# Allegro board DPU_PoE_A1_Oct-13.brd (continued)
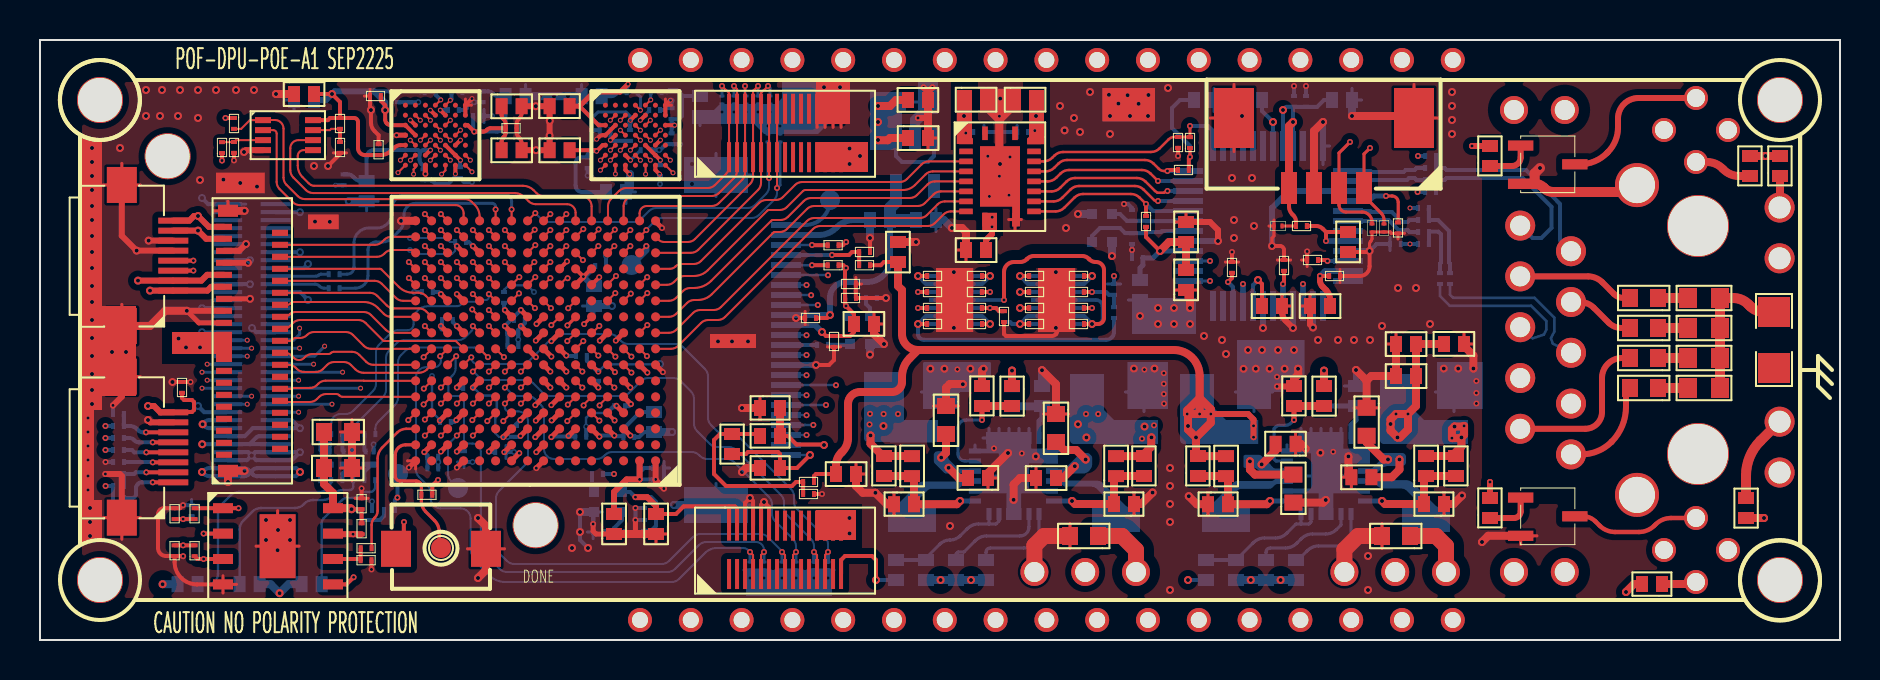
[diagram p0: board, top side]
## Routing (per net, layer and track width the routed paths; a pad name or vN(x,y) marks a point on that pad's centre or on a via; arc(x,y) is an arc through that point) (continued)
MD3: length 12.7
  TOP w0.102: v1(21.61,10.99) U5.D12
  TOP w0.3: R43.1 v1(15.65,5.29) 14.68,5.29 U6.7
  SIG-6 w0.102: v1(15.65,5.29) 15.03,5.91 arc(14.92,6.08) 14.88,6.27 14.88,6.88 arc(14.92,7.07) 15.03,7.24 17.43,9.64 arc(17.6,9.75) 17.79,9.79 19.48,9.79 arc(19.59,9.83) 19.63,9.94 19.63,10.39 arc(19.69,10.54) 19.84,10.6 21.22,10.6 v1(21.61,10.99)
Net_1: length 0.5
  TOP w0.102: v1(22.44,13.42) 22.78,13.76
Net_3: length 0.6
  TOP w0.102: v1(23.2,14.14) 22.78,14.56
Net_4: length 0.5
  TOP w0.102: v1(26.41,16.59) 26.78,16.96
Net_5: length 0.5
  TOP w0.102: v1(27.12,13.42) 26.78,13.76
Net_8: length 0.5
  TOP w0.102: v1(28.77,17.34) 28.38,16.96
Net_9: length 0.6
  TOP w0.157: 26.78,16.16 26.78,16.14 v1(26.37,15.73)
Net_10: length 0.6
  TOP w0.102: v1(26.36,14.94) 26.78,15.36
Net_61: length 0.5
  TOP w0.102: v1(30.36,17.34) 29.98,16.96
PROGRAM_N: length 33.3
  TOP w0.102: U5.C12 v1(21.64,10.22)
  TOP w0.2: J4.2 v1(5.32,8.38) ; SW1.2 17.8,5.01 18.19,5.41 18.19,5.89 v1(18.2,5.9)
  SIG-6 w0.102: v1(18.2,5.9) 18.79,5.9 arc(18.98,5.94) 19.15,6.05 21.49,8.39 arc(21.6,8.56) 21.64,8.75 v1(21.64,10.22) 21.64,10.24 21.85,10.45 arc(21.96,10.62) 22,10.81 22,11.01 arc(21.89,11.29) 21.61,11.4 20.79,11.4 arc(20.51,11.51) 20.4,11.79 20.4,11.81 arc(20.29,12.09) 20.01,12.2 19.99,12.2 arc(19.71,12.31) 19.6,12.59 19.6,12.66 arc(19.5,12.9) 19.26,13 17.47,13 arc(17.41,12.99) 17.35,12.95 16.65,12.25 arc(16.48,12.14) 16.29,12.1 15.83,12.1 arc(15.71,12.12) 15.61,12.19 15.59,12.21 arc(15.49,12.28) 15.37,12.3 14.31,12.3 arc(14.12,12.26) 13.95,12.15 13.75,11.95 arc(13.58,11.84) 13.39,11.8 12.41,11.8 arc(12.05,11.65) 11.9,11.29 11.9,9.91 arc(11.86,9.72) 11.75,9.55 10.95,8.75 arc(10.78,8.64) 10.59,8.6 9.53,8.6 arc(9.33,8.56) 9.17,8.45 8.76,8.05 arc(8.6,7.94) 8.4,7.9 7.01,7.9 arc(6.82,7.94) 6.65,8.05 6.47,8.23 arc(6.3,8.34) 6.11,8.38 v1(5.32,8.38)
  BOTTOM w0.2: R78.1 4.19,7.71 C134.2 4.7,8.3 4.78,8.38 v1(5.32,8.38)
PWR_EN_EXT: length 22.8
  TOP w0.2: v3(41.8,3) 41.8,4 41.6,4.2 40.25,4.2 40.05,4 J5.29
  SIG-6 w0.2: v3(41.8,3) 42.99,3 arc(43.37,3.08) 43.69,3.29 44.41,4.01 arc(44.73,4.22) 45.11,4.3 45.7,4.3 arc(46.07,4.37) 46.39,4.59 46.41,4.61 arc(46.73,4.83) 47.1,4.9 55.83,4.9 arc(56.59,4.59) 56.9,3.83 arc(56.96,3.53) 57.14,3.26 v3(57.4,3)
  BOTTOM w0.2: R90.2 v3(41.8,3) ; R86.2 v3(57.4,3)
RN: length 8.6
  BOTTOM w0.13: U11.6 75.64,14.82 75.55,15.09 75.72,15.43 75.72,16.11 74.72,17.11 70.66,17.11 70.5,17.27 C141.1
RP: length 8.6
  BOTTOM w0.13: U11.5 74.11,15.35 74.63,15.08 75.19,15.27 75.32,15.52 75.32,15.95 74.56,16.71 70.49,16.71 70,17.2 C140.1
SPARE7: length 15.5
  TOP w0.3: C45.2 79.1,14.1 arc(78.39,13.81) 78.1,13.1 78.1,11.4 arc(77.85,10.81) 77.26,10.56 U11.9
  SIG-3 w0.6: J9.1 74.01,3.71 U11.9
SPARE8: length 11.2
  TOP w0.3: U11.10 77.07,9.28 arc(77.88,9.44) 78.57,9.91 arc(79.11,10.71) 79.3,11.66 79.3,12.3 arc(79.32,12.39) 79.37,12.47 C47.2
  SIG-3 w0.6: U11.10 76.55,3.71 J9.2
SPI_CS: length 16.4
  TOP w0.102: 21.98,20.92 U5.T12 21.98,21.18 arc(21.92,21.49) 21.74,21.75 21.6,21.9 arc(21.43,22.01) 21.24,22.05 13.25,22.05 arc(13.05,22.08) 12.89,22.19 12.32,22.76 arc(12.21,22.92) 12.18,23.12 12.18,25.57 arc(12.05,25.87) 11.75,26 11.16,26 U1.1 10.49,25.99 10.06,25.56 R1.2
SPI_SCK: length 18.1
  TOP w0.102: 26.78,20.92 U5.T6 26.78,21.37 arc(26.66,21.67) 26.36,21.79 24.79,21.79 arc(24.6,21.83) 24.43,21.94 24.23,22.14 arc(24,22.29) 23.73,22.35 13.65,22.35 arc(13.46,22.39) 13.29,22.5 12.66,23.13 arc(12.55,23.29) 12.52,23.49 12.52,24.59 arc(12.63,24.87) 12.92,24.99 U1.6
SPI_SI: length 17.9
  TOP w0.102: 27.58,20.92 U5.T5 27.58,21.68 arc(27.43,22.04) 27.07,22.19 25.19,22.19 arc(25,22.23) 24.83,22.34 24.68,22.49 arc(24.44,22.65) 24.15,22.71 13.7,22.71 arc(13.63,22.72) 13.56,22.74 13.55,22.75 arc(13.48,22.79) 13.43,22.84 13.13,23.14 arc(12.95,23.41) 12.89,23.72 12.89,24.2 arc(12.97,24.41) 13.18,24.49 U1.5
SPI_SO: length 13.7
  TOP w0.102: U5.T13 21.18,21.34 arc(21.06,21.63) 20.78,21.74 12.99,21.74 arc(12.8,21.78) 12.63,21.89 11.98,22.55 arc(11.87,22.71) 11.83,22.9 11.83,25.33 arc(11.78,25.44) 11.67,25.49 U1.2
SYNC-1: length 6
  TOP w0.25: R23.1 v1(47.1,11)
  TOP w0.4: R25.2 R23.1
  BOTTOM w0.16: U13.11 46.25,8.95 arc(46,9.05) 45.9,9.3 45.9,10.6 arc(46.02,10.88) 46.3,11 v1(47.1,11)
SYNC-2: length 5.6
  TOP w0.25: v1(62.7,11) R24.1
  TOP w0.4: R24.1 R26.2
  BOTTOM w0.16: v1(62.7,11) 62.55,10.85 arc(62.42,10.76) 62.26,10.73 61.96,10.73 arc(61.87,10.71) 61.79,10.66 61.7,10.57 61.7,9.05 61.8,8.95 U12.11
SYS_CLK: length 4.5
  TOP w0.18: v1(28.73,10.98) 28.38,11.33 U5.D4
  SIG-3 w0.2: v1(28.7,8.3) 29.11,8.71 arc(29.32,9.03) 29.4,9.41 29.4,10.6 arc(29.29,10.87) 29.02,10.98 v1(28.73,10.98)
  BOTTOM w0.2: R74.2 v1(28.7,8.3)
TCK: length 20.4
  TOP w0.102: U5.F14 v1(20.04,12.62)
  TOP w0.2: J4.3 v1(5.64,8.88)
  SIG-6 w0.102: v1(5.64,8.88) 5.65,8.9 8.57,8.9 arc(8.69,8.92) 8.79,8.99 8.81,9.01 arc(8.91,9.08) 9.03,9.1 9.31,9.1 9.32,9.1 9.53,9.1 9.53,9.1 10.19,9.1 arc(10.39,9.14) 10.55,9.25 11.35,10.05 arc(11.46,10.22) 11.5,10.41 11.5,11.59 arc(11.54,11.78) 11.65,11.95 12.15,12.45 arc(12.32,12.56) 12.51,12.6 13.47,12.6 arc(13.59,12.62) 13.69,12.69 13.71,12.71 arc(13.81,12.78) 13.93,12.8 15.19,12.8 arc(15.38,12.84) 15.55,12.95 15.85,13.25 arc(16.02,13.36) 16.21,13.4 19.29,13.4 arc(19.82,13.18) 20.04,12.65 v1(20.04,12.62)
  BOTTOM w0.2: v1(5.64,8.88) 5.62,8.9 R73.1
TDI: length 24.2
  TOP w0.102: U5.F11 v1(22.44,12.62)
  TOP w0.2: J4.5 v1(5.64,9.88)
  SIG-6 w0.102: v1(5.64,9.88) 7.07,9.88 arc(7.27,9.92) 7.43,10.03 7.59,10.19 arc(7.76,10.3) 7.95,10.34 8.62,10.34 arc(9.17,10.57) 9.4,11.11 9.4,11.99 arc(9.44,12.18) 9.55,12.35 10.35,13.15 arc(10.52,13.26) 10.71,13.3 10.99,13.3 arc(11.18,13.34) 11.35,13.45 11.85,13.95 arc(12.02,14.06) 12.21,14.1 12.99,14.1 arc(13.09,14.12) 13.18,14.18 13.19,14.19 arc(13.28,14.25) 13.38,14.27 14.82,14.27 arc(15.01,14.31) 15.18,14.42 15.41,14.65 arc(15.57,14.76) 15.77,14.8 21.56,14.8 arc(21.87,14.67) 22,14.36 22,13 arc(22.11,12.73) 22.38,12.62 v1(22.44,12.62)
  BOTTOM w0.2: v1(5.64,9.88) 4.95,9.88 arc(4.83,9.91) 4.72,9.98 4.69,10.01 arc(4.59,10.08) 4.47,10.1 R71.2
TDO: length 20.6
  TOP w0.102: U5.E14 v1(20.04,11.82)
  TOP w0.2: J4.1 v1(5.64,7.88)
  SIG-6 w0.102: v1(20.04,11.82) 19.85,11.82 arc(19.69,11.85) 19.56,11.94 19.52,11.98 arc(19.35,12.09) 19.16,12.13 18.01,12.13 arc(17.82,12.09) 17.65,11.98 17.52,11.85 arc(17.35,11.74) 17.16,11.7 15.31,11.7 arc(15.12,11.66) 14.95,11.55 14.55,11.15 arc(14.38,11.04) 14.19,11 12.9,11 arc(12.55,10.85) 12.4,10.5 12.4,9.61 arc(12.36,9.42) 12.25,9.25 11.35,8.35 arc(11.18,8.24) 10.99,8.2 9.71,8.2 arc(9.52,8.16) 9.35,8.05 8.95,7.65 arc(8.78,7.54) 8.59,7.5 6.61,7.5 arc(6.42,7.54) 6.25,7.65 6.14,7.76 arc(6,7.85) 5.84,7.88 v1(5.64,7.88)
  BOTTOM w0.2: v1(5.64,7.88) 5.09,7.88 arc(4.99,7.86) 4.91,7.81 4.88,7.78 arc(4.82,7.69) 4.8,7.59 4.8,7.3 arc(4.74,7.16) 4.6,7.1 R79.2
TMS: length 23.7
  TOP w0.102: U5.E11 v1(22.44,11.82)
  TOP w0.2: J4.4 v1(5.32,9.38)
  SIG-6 w0.102: v1(5.32,9.38) 5.33,9.4 6.77,9.4 arc(6.89,9.38) 6.99,9.31 arc(7.03,9.29) 7.06,9.28 8.17,9.28 arc(8.36,9.32) 8.53,9.43 8.55,9.45 arc(8.72,9.56) 8.91,9.6 9.39,9.6 arc(9.58,9.64) 9.75,9.75 10.95,10.95 arc(11.06,11.12) 11.1,11.31 11.1,11.89 arc(11.14,12.08) 11.25,12.25 12.25,13.25 arc(12.42,13.36) 12.61,13.4 13.24,13.4 arc(13.3,13.39) 13.34,13.36 13.4,13.3 arc(13.7,13.18) 14,13.3 14.35,13.65 arc(14.52,13.76) 14.71,13.8 15.19,13.8 arc(15.38,13.84) 15.55,13.95 15.65,14.05 arc(15.82,14.16) 16.01,14.2 18.19,14.2 arc(18.38,14.16) 18.55,14.05 18.75,13.85 arc(18.92,13.74) 19.11,13.7 20.29,13.7 arc(20.48,13.66) 20.65,13.55 22.38,11.82 v1(22.44,11.82)
  BOTTOM w0.2: R72.2 4.6,9.5 4.72,9.38 v1(5.32,9.38)
TN: length 10.1
  BOTTOM w0.2: U11.2 76,19.99 76,21.8 74.3,23.5 70.33,23.5 70.23,23.6 R52.1 R91.1
TP: length 10.1
  BOTTOM w0.2: U11.1 74.63,20.1 75.07,20.1 75.58,20.61 75.58,21.66 74.13,23.1 70.33,23.1 70.23,23 R53.1 R92.1
TP_P2: length 1.7
  TOP w0.102: v1(30.32,19.7) U5.P2
  BOTTOM w0.3: v1(30.32,19.7) 30.32,19.49 TP39.1
UPLD_TXD1: length 50.7
  TOP w0.102: v1(27.92,14.22) U5.H5
  TOP w0.3: R7.2 v1(71.6,24.7)
  SIG-3 w0.102: v1(71.6,24.7) 68.31,24.7 arc(68.12,24.66) 67.95,24.55 65.95,22.55 arc(65.78,22.44) 65.59,22.4 58.91,22.4 arc(58.72,22.36) 58.55,22.25 57.65,21.35 arc(57.48,21.24) 57.29,21.2 53.61,21.2 arc(53.42,21.16) 53.25,21.05 52.35,20.15 arc(52.18,20.04) 51.99,20 47.04,20 arc(46.73,20.13) 46.6,20.44 46.6,20.69 arc(46.56,20.88) 46.45,21.05 46.12,21.38 arc(46.09,21.4) 46.05,21.41 38.15,21.41 arc(38.11,21.4) 38.08,21.38 31.55,14.85 arc(31.38,14.74) 31.19,14.7 28.72,14.7 arc(28.53,14.66) 28.36,14.55 28.07,14.26 arc(28.03,14.23) 27.99,14.22 v1(27.92,14.22)
UPLD_TXD2: length 59.8
  TOP w0.157: U5.G4 v1(28.75,13.39)
  TOP w0.3: R40.2 v1(72.5,7.9)
  SIG-3 w0.102: v1(28.75,13.39) 28.75,13.45 arc(28.84,13.67) 29.07,13.77 31.16,13.77 arc(31.35,13.81) 31.52,13.92 38.15,20.55 arc(38.32,20.66) 38.51,20.7 43.89,20.7 arc(44.14,20.65) 44.35,20.51 45.35,19.51 arc(45.47,19.43) 45.61,19.4 52.39,19.4 arc(52.58,19.44) 52.75,19.55 53.65,20.45 arc(53.82,20.56) 54.01,20.6 57.69,20.6 arc(57.88,20.64) 58.05,20.75 58.95,21.65 arc(59.12,21.76) 59.31,21.8 64.8,21.8 arc(65.15,21.65) 65.3,21.3 65.3,19.31 arc(65.34,19.12) 65.45,18.95 68.55,15.85 arc(68.66,15.68) 68.7,15.49 68.7,13.21 arc(68.74,13.02) 68.85,12.85 69.15,12.55 arc(69.26,12.38) 69.3,12.19 69.3,9.61 arc(69.34,9.42) 69.45,9.25 69.85,8.85 arc(70.02,8.74) 70.21,8.7 71.49,8.7 arc(71.68,8.66) 71.85,8.55 v1(72.5,7.9)
N760129: length 4.4
  TOP w0.2: FB2.2 C17.2 40.6,19.4 40.45,19.25 v1(39.6,19.25)
  BOTTOM w0.2: J7.4 v1(39.6,19.25)
N760503: length 9.6
  TOP w0.2: C62.2 FB3.2 37.8,7.9 37.6,7.7 34.3,7.7 33.7,8.3 33.7,10 34,10.3 R29.1 35.9,10.3 R28.1
N762812: length 1.5
  BOTTOM w0.2: R60.1 R59.1 41.3,16.8 41.5,16.6 Y3.1
N763219: length 1.1
  BOTTOM w0.2: R63.1 40.45,14.76 Y3.3
N900708: length 2
  TOP w0.2: U6.6 15.97,4.05 R46.1 16.04,4 R44.2
N990170: length 1.7
  BOTTOM w0.2: R82.1 R81.1 28.7,5.6 29.1,6 Y4.1
N990230: length 0.9
  BOTTOM w0.2: R74.1 27.6,7.5 Y4.3
N1026841: length 2.1
  TOP w0.102: U1.3 9.79,24.99 R5.1 9.69,24.89 R4.2
N1026851: length 2
  TOP w0.102: R2.2 14.56,25.56 14.49,25.49 U1.7
  TOP w0.2: R6.1 R2.2
N1593173: length 10.9
  BOTTOM w0.12: D18.1 8.39,2.79 arc(8.75,2.94) 8.9,3.3 8.9,6.35 arc(8.95,6.58) 9.08,6.78 9.52,7.22 arc(9.72,7.35) 9.95,7.4 13.97,7.4 arc(14.39,7.57) R77.2
N1593177: length 9.6
  BOTTOM w0.12: D19.1 9.98,5.53 arc(10.03,5.76) 10.16,5.96 10.62,6.42 arc(10.82,6.55) 11.05,6.6 12.75,6.6 arc(12.98,6.65) 13.18,6.78 13.22,6.82 arc(13.42,6.95) 13.65,7 14.15,7 arc(14.38,7.05) 14.58,7.18 14.72,7.32 arc(14.92,7.45) 15.15,7.5 15.5,7.5 arc(15.61,7.55) 15.66,7.66 R76.2
N1593181: length 6.9
  BOTTOM w0.12: R75.2 16.76,7.66 arc(16.68,7.48) 16.5,7.4 16.29,7.4 arc(16.11,7.37) 15.97,7.27 15.94,7.24 arc(15.78,7.14) 15.6,7.1 15.35,7.1 arc(15.21,7.07) 15.09,6.99 14.19,6.09 arc(14.11,5.97) 14.08,5.83 D17.1
N1593233: length 0.9
  BOTTOM w0.2: Q5.3 14.28,8.68 14.02,8.41 R77.1
N1593237: length 0.9
  BOTTOM w0.2: Q4.3 15.38,8.58 15.12,8.32 R76.1
N1593241: length 0.9
  BOTTOM w0.2: Q3.3 16.48,8.68 16.21,8.41 R75.1
N1593321: length 0.9
  BOTTOM w0.2: R70.2 14.02,9.49 Q5.1
N1593325: length 0.9
  BOTTOM w0.2: R69.2 15.12,9.49 Q4.1
N1593329: length 0.9
  BOTTOM w0.2: Q3.1 16.22,9.49 R68.2
N1609517: length 3.2
  BOTTOM w0.25: C122.2 50.1,11.1 49.95,10.95 U13.18
  BOTTOM w0.4: R65.1 50.09,11.68 C122.2
N1613601: length 6
  TOP w0.4: v3(46,6.95) 45.84,6.79 R36.2 43.7,8.09 C53.1 43.59,8.2 R30.1
  BOTTOM w0.25: U13.7 v3(46,6.95)
N1616768: length 6
  TOP w0.4: v3(51.6,6.95) 51.75,6.8 R37.2 53.7,8.09 C54.1 53.8,8.2 R31.1
  BOTTOM w0.25: U13.24 v3(51.6,6.95)
N1627713: length 5.2
  BOTTOM w0.16: U13.2 49.45,5.65 arc(49.32,5.33) 49,5.2 47.33,5.2 arc(47.03,5.14) 46.77,4.97 46.2,4.4 45.9,4.4 45.8,4.3 R88.1
N1630418: length 4.5
  BOTTOM w0.16: R87.1 47.3,4.4 arc(47.36,4.54) 47.5,4.6 49.2,4.6 arc(49.73,4.82) 49.95,5.35 U13.1
N2071767: length 5.2
  BOTTOM w0.16: R84.1 61.3,4.4 arc(61.36,4.54) 61.5,4.6 62.27,4.6 arc(62.57,4.66) 62.83,4.83 63.07,5.07 arc(63.33,5.24) 63.63,5.3 64.3,5.3 arc(64.58,5.36) 64.81,5.51 65.05,5.75 U12.2
N2071821: length 5.9
  TOP w0.4: v3(61.5,6.95) 61.34,6.79 R38.2 59.4,8.09 C55.1 59.3,8.2 R32.1
  BOTTOM w0.25: U12.7 v3(61.5,6.95)
N2072037: length 3.3
  BOTTOM w0.25: U12.18 65.55,10.75 65.8,11 C121.2 R64.1
N2072181: length 4.4
  BOTTOM w0.16: U12.1 65.55,5.25 arc(65.39,4.86) 65,4.7 63.93,4.7 arc(63.63,4.64) 63.37,4.47 62.9,4 R83.1
N2072229: length 6
  TOP w0.4: v3(67.1,6.95) 67.25,6.8 R39.2 69.2,8.1 C52.1 R33.1
  BOTTOM w0.25: U12.24 v3(67.1,6.95)
N2690332: length 2.9
  BOTTOM w0.2: J7.1 38.25,20.75 arc(39.13,21.12) TP36.1
N2822398: length 2.7
  BOTTOM w0.15: R58.2 14.21,17.59 arc(14.09,17.61) 13.99,17.68 13.97,17.7 arc(13.87,17.77) 13.75,17.79 J8.50
N2822416: length 2.7
  BOTTOM w0.15: R57.2 14.04,18.29 arc(13.98,18.28) 13.94,18.25 13.92,18.23 arc(13.88,18.2) 13.82,18.19 J8.52
N2837557: length 1.4
  TOP w0.2: C28.2 v3(49,17.4)
  BOTTOM w0.2: U9.12 v3(49,17.4)
N2837561: length 1.4
  TOP w0.2: C34.2 v3(49,16.6)
  BOTTOM w0.2: U9.10 v3(49,16.6)
N2851475: length 1.4
  TOP w0.2: C27.2 v1(43.9,17.4)
  BOTTOM w0.2: U10.12 v1(43.9,17.4)
N2851539: length 1.4
  TOP w0.2: C33.2 v1(43.9,16.6)
  BOTTOM w0.2: U10.10 v1(43.9,16.6)
N2872165: length 5.7
  TOP w0.2: R28.2 37.4,10.2 37.83,9.77 39.17,9.77 v3(39.2,9.75)
  TOP w0.4: R27.2 R28.2
  BOTTOM w0.125: J7.23 v3(39.2,9.75)
N2872169: length 6.2
  TOP w0.2: v3(38.5,9.25) 37.85,8.6 R34.2 37,9.3 36.9,9.4 35.4,9.4 35.3,9.3 R29.2
  BOTTOM w0.125: J7.24 v3(38.5,9.25)
N2902183: length 4
  BOTTOM w0.2: U8.1 66.53,23.45 66.58,23.4 68.18,23.4 68.28,23.5 68.73,23.5 68.83,23.6 R52.2
N2902195: length 4
  BOTTOM w0.2: U8.2 66.53,22.95 66.58,23 68.35,23 68.45,23.1 68.73,23.1 68.83,23 R53.2
N2902207: length 3.8
  BOTTOM w0.2: R54.2 68.48,21 68.38,20.9 68.1,20.9 67.6,21.4 66.58,21.4 66.53,21.45 U8.5
N2902219: length 3.8
  BOTTOM w0.2: U8.6 66.53,20.95 66.58,21 67.43,21 67.93,20.5 68.38,20.5 68.48,20.4 R55.2
N2910858: length 1.5
  TOP w0.2: v1(64.37,18.95) 64.32,19 R13.1
  BOTTOM w0.2: U8.10 v1(64.37,18.95)
N2920519: length 2.8
  TOP w0.2: C31.1 61.1,17.8 v3(60.9,18)
  BOTTOM w0.2: v3(60.9,18) 60.65,17.75 U8.20
N2922742: length 1.8
  TOP w0.2: v1(59.4,17.9) 59.6,18.1 C20.2
  BOTTOM w0.2: v1(59.4,17.9) 59.65,17.65 U8.22
N2933507: length 3.9
  BOTTOM w0.2: Y2.3 54,21.3 54.34,20.96 C98.2 55.39,20.96 R56.2 57.39,20.94 U8.31
N2934366: length 5.4
  BOTTOM w0.2: Y2.1 52.6,20.2 53,20.6 54,20.6 54.26,20.34 C101.2 55.34,20.34 R56.1 56.05,20.4 56.1,20.45 U8.30
N2966266: length 4.4
  TOP w0.5: R41.1 85.3,8.22 arc(85.49,9.16) 86.02,9.95 U11.13
N2966270: length 1.6
  TOP w0.4: R9.1 87,21.64 U11.11
N2982594: length 7.4
  TOP w0.5: R22.2 R21.2 R20.2 R17.2 84.66,17.1 arc(85.07,17.02) 85.41,16.79 85.52,16.68 arc(85.83,16.47) 86.2,16.4 C43.2
N3194519: length 8.1
  TOP w0.3: LD1.2 79.92,27.1 arc(79.2,26.8) 78.9,26.08 78.9,25.62 arc(78.77,24.96) 78.39,24.39 78.34,24.34 arc(77.72,23.93) 76.99,23.79 Q1.3
N3194698: length 2.9
  TOP w0.4: R8.1 84.95,23.2 arc(84.53,23.28) 84.18,23.52 84.12,23.58 arc(83.77,23.82) 83.34,23.9 LD1.1
N3194743: length 2.4
  TOP w0.3: Q1.1 74.03,24.13 arc(73.91,23.83) 73.6,23.7 R7.1
N3194934: length 1.7
  TOP w0.4: R47.1 82.7,2.8 LD2.1
N3195021: length 6.5
  TOP w0.22: LD2.2 81.56,6.1 arc(81.13,6.02) 80.78,5.78 80.72,5.72 arc(80.37,5.48) 79.94,5.4 78.76,5.4 arc(78.33,5.48) 77.98,5.72 77.77,5.93 arc(77.49,6.12) 77.15,6.18 76.74,6.18
N3195213: length 2.4
  TOP w0.3: Q2.1 74.03,6.43 arc(73.94,6.2) 73.7,6.1 R40.1
N3368850: length 3.2
  BOTTOM w0.2: R94.2 69.45,19.81 R55.1 69.47,20.42 69.92,20.42 70.05,20.28 70.05,18.87 70,18.82 C140.2
N3368856: length 4
  BOTTOM w0.2: R93.2 69.44,21.01 R54.1 69.9,21 70.45,20.45 70.45,18.87 70.5,18.82 C141.2
N3369036: length 3.1
  SIG-3 w0.2: v2(68.5,21.6) v2(68.5,19.8)
  BOTTOM w0.2: R93.1 v2(68.5,21.6) ; R94.1 v2(68.5,19.8) C142.2
N29811470: length 1.5
  TOP w0.5: C30.1 R17.1
N29812170: length 1.5
  TOP w0.5: C42.1 R20.1
N29812430: length 1.5
  TOP w0.5: C45.1 R21.1
N29812690: length 1.5
  TOP w0.5: C47.1 R22.1

## Copper pours and planes (outline as drawn; the poured copper is in the pictures)
GND on TOP (solid shape): 11.24,22.34 8.8,22.34 8.8,23.37 11.24,23.37
GND on TOP (solid shape): 14.94,20.54 13.4,20.54 13.4,21.28 14.94,21.28
GND on TOP (solid shape): 35.8,14.6 33.5,14.6 33.5,15.3 35.8,15.3
GND on TOP (solid shape): 40.5,25.8 38.8,25.8 38.8,27.9 40.5,27.9
GND on TOP (solid shape): 46.66,15.4 44.8,15.4 44.8,18.6 46.66,18.6
GND on TOP (solid shape): 51.76,15.4 49.9,15.4 49.9,18.6 51.76,18.6
GND on TOP (solid shape): 55.75,25.93 53.12,25.93 53.12,27.6 55.75,27.6
GND on TOP (solid shape): 3.1,16.7 4.8,16.7 4.8,12.2 3.1,12.2 3.1,11.5 2.7,11.5 2.7,7 3.1,7 3.1,4.9 2.1,4.9 2.1,25.1 3.1,25.1
GND on TOP (solid shape): 49.05,26.39 48.63,26.39 48.17,25.93 48.17,24.68 49,24.68 49,20.68 48.61,20.68 48.61,21.68 47,21.68 47,24.68 47.76,24.68 47.76,25.93 47.3,26.39 47,26.39 47,27.56 49.05,27.56
GND on BOTTOM (solid shape): 39.6,2.2 35.3,2.2 35.3,3.5 39.6,3.5
GND on BOTTOM (solid shape): 55.75,25.93 53.12,25.93 53.12,27.6 55.75,27.6
GND on BOTTOM (solid shape): 56.4,11.55 54.37,11.55 54.37,13.9 56.4,13.9
GND on BOTTOM (solid shape): 72.13,11.55 69.86,11.55 69.86,13.9 72.13,13.9
GND on BOTTOM (solid shape): 55.4,17.1 57.8,17.1 57.8,15.3 54.6,15.3 54.6,17.3 55.4,17.3
GND on BOTTOM (solid shape): 47.54,13.13 46.47,13.13 46.47,12.4 45.86,12.4 45.86,11.55 44.16,11.55 44.16,13.89 47.54,13.89
GND on BOTTOM (solid shape): 63.23,13.13 62.16,13.13 62.16,12.4 61.55,12.4 61.55,11.55 59.85,11.55 59.85,15 63.23,15
GND on BOTTOM (solid shape): 44.9,26.3 44.5,26.3 44,25.8 44,24.5 43.5,24.5 43.5,26.1 43.9,26.5 43.9,27.9 44.9,27.9
GND on BOTTOM (solid shape): 40.3,26.7 38.9,25.3 36.2,25.3 35.7,25.8 32.6,25.8 32.6,26.5 33.7,26.5 34,26.8 36.8,26.8 37.1,27.1 37.1,27.9 40.3,27.9
GND on BOTTOM (solid shape): 49.56,9.57 50.89,9.57 50.89,8.83 49.44,8.83 49.44,7.57 50.89,7.57 50.89,7.33 49.06,7.33 49.06,6 48.32,6 48.32,7.33 46.44,7.33 46.44,7.57 47.94,7.57 47.94,9.33 46.44,9.33 46.44,9.57 47.32,9.57 47.32,10.4 49.56,10.4
GND on BOTTOM (solid shape): 65.17,9.57 66.5,9.57 66.5,8.83 65.05,8.83 65.05,7.57 66.5,7.57 66.5,7.33 64.67,7.33 64.67,6 63.93,6 63.93,7.33 62.05,7.33 62.05,7.57 63.55,7.57 63.55,9.33 62.05,9.33 62.05,9.57 62.93,9.57 62.93,10.4 65.17,10.4
GND on TOP: 85.63,27.48 85.86,27.9 88.11,27.9 88.11,2.1 85.86,2.1 85.63,2.52 85.55,3 85.97,4.03 87,4.45 87.5,4.36 87.94,4.1 88.05,4.09 88.11,4.17 88.11,6.8 86,6.8 85.99,6.73 86.01,6.64 86.09,6.6 86.2,6.6 86.7,6.1 86.2,5.6 85.92,5.6 85.82,5.53 85.7,5.5 84.9,5.5 84.69,5.59 84.6,5.8 84.6,6.4 84.62,6.51 84.68,6.6 84.63,6.67 84.6,6.76 84.6,6.8 83.6,6.8 83.51,6.74 83.52,6.64 83.65,6.38 83.7,6.1 83.44,5.46 82.8,5.2 82.33,5.33 82,5.69 81.56,5.69 81.37,5.66 81.19,5.59 81.15,5.48 81.24,5.4 82.1,4.51 81.26,3.6 81.21,3.6 81.21,3.5 81.4,3.5 81.56,3.45 81.67,3.33 81.68,3.3 81.99,3.3 82.33,3.67 82.8,3.8 83.44,3.54 83.7,2.9 83.57,2.43 83.21,2.1 82.39,2.1 82.25,2.19 82.13,2.3 81.68,2.3 81.67,2.27 81.56,2.15 81.41,2.1 79.79,2.1 79.72,2.11 79.71,2.1 2.1,2.1 2.1,27.9 83.21,27.9 83.57,27.57 83.7,27.1 83.44,26.46 82.8,26.2 82.35,26.32 82.02,26.65 79.92,26.65 79.52,26.48 79.35,26.08 79.35,25.62 79.18,24.78 78.71,24.07 78.66,24.03 78.2,23.67 77.66,23.43 77.64,23.39 77.62,23.36 77.62,23.25 77.71,23.2 78.71,23.2 79.85,23.97 80.99,23.2 82,23.2 82.09,23.26 82.08,23.36 81.95,23.62 81.9,23.9 82.16,24.54 82.8,24.8 83.23,24.69 83.56,24.39 84.05,24.23 84.48,23.93 84.53,23.88 84.59,23.83 84.65,23.79 84.75,23.79 84.8,23.88 84.8,23.9 84.8,24.5 84.8,24.53 84.77,24.62 84.67,24.64 84.54,24.61 84.4,24.6 83.76,26.14 85.3,25.5 85.25,25.22 85.12,24.96 85.11,24.86 85.2,24.8 85.9,24.8 86.02,24.77 86.12,24.7 86.38,24.7 86.48,24.77 86.6,24.8 87.4,24.8 87.61,24.71 87.7,24.5 87.7,23.9 87.68,23.79 87.62,23.7 87.68,23.61 87.7,23.5 87.7,23.2 88.11,23.2 88.11,25.83 88.05,25.91 87.94,25.9 87.5,25.64 87,25.55 85.97,25.97 85.55,27 ; 14 cut-outs
GND on BOTTOM: 33.73,27.86 33.75,27.9 87.9,27.9 87.9,2.1 10.27,2.1 10.25,2.14 9.68,2.14 9.5,2.21 9.43,2.39 9.43,3.19 9.49,3.35 9.63,3.43 9.67,3.44 9.67,5.53 9.71,5.81 9.84,6.06 9.85,6.15 9.79,6.21 9.61,6.35 9.53,6.55 9.46,6.64 9.36,6.62 9.3,6.56 9.23,6.46 9.21,6.35 9.21,3.3 9,2.75 8.48,2.48 8.43,2.48 8.43,2.39 8.36,2.21 8.18,2.14 7.61,2.14 7.59,2.1 2.1,2.1 2.1,27.9 29.81,27.9 29.83,27.79 29.98,27.79 30.07,27.77 30.14,27.73 30.21,27.71 30.27,27.73 30.35,27.77 30.44,27.79 30.64,27.79 30.7,27.78 30.77,27.75 30.87,27.82 30.98,27.84 31.27,27.84 31.36,27.88 31.46,27.9 31.86,27.9 32,27.87 32.13,27.78 32.22,27.69 32.3,27.66 32.37,27.69 32.47,27.77 32.6,27.8 33.4,27.8 33.48,27.79 33.56,27.75 33.65,27.74 33.72,27.81 ; 21 cut-outs
GND on BOTTOM: 33.5,15.3 33.5,14.6 35.8,14.6 35.8,15.3
GND on GND-2: 2.1,27.9 87.9,27.9 87.9,2.1 2.1,2.1 ; 5 cut-outs
GND on GND-5: 2.1,27.9 87.9,27.9 87.9,2.1 2.1,2.1 ; 8 cut-outs
GND on GND-7: 2.1,27.9 87.9,27.9 87.9,2.1 2.1,2.1 ; 7 cut-outs
P1V0 on BOTTOM (solid shape): 43.2,11 44.9,11 44.9,9.9 41.4,9.9 41.26,9.96 41.2,10.1 41.2,13.4 43.2,13.4
P1V8 on TOP (solid shape): 41.4,23.4 38.8,23.4 38.8,24.9 41.4,24.9
P1V8 on TOP (solid shape): 46.6,25.11 46.64,25.07 46.64,24.8 45.84,24.8 45.84,27.5 46.6,27.5
P1V8 on BOTTOM (solid shape): 43.1,24.5 41.5,24.5 41.5,27.4 43.1,27.4
P1V8 on BOTTOM (solid shape): 53.2,11.5 53.7,11 55.9,11 55.9,9.8 51.7,9.8 51.56,9.86 51.5,10 51.5,13.3 53.2,13.3
P1V8 on VCC-4: 2.1,27.9 47.7,27.9 47.7,22.8 47.73,22.65 47.82,22.52 49.02,21.32 49.15,21.23 49.3,21.2 50.63,21.2 53.9,17.93 53.9,15.9 53.93,15.75 54.02,15.62 56,13.63 56,11.3 56.03,11.15 56.12,11.02 56.2,10.93 56.2,10 43.3,10 43.15,9.97 43.02,9.88 42.22,9.08 42.13,8.95 42.1,8.8 42.1,2.1 2.1,2.1 ; 1 cut-out
P1V8 on SIG-6: 51.5,13.3 51.5,9.7 56.1,9.7 56.1,13.3
P2V8 on BOTTOM (solid shape): 58.7,11.6 59.3,11 60.91,11 60.91,9.8 57.2,9.8 57.06,9.86 57,10 57,13.3 58.7,13.3
P2V8 on VCC-4: 56.8,13.4 62.53,13.4 62.8,13.13 62.8,10 57,10 57,11.1 56.97,11.25 56.88,11.38 56.8,11.47
P2V8 on SIG-6: 57,13.3 57,9.7 61.5,9.7 61.5,13.3
P3V3 on TOP (solid shape): 40.8,5 38.8,5 38.8,6.5 40.8,6.5
P3V3 on TOP (solid shape): 50.2,24.79 49.36,24.79 49.36,25.07 49.45,25.16 49.45,27.5 50.2,27.5
P3V3 on BOTTOM (solid shape): 68.7,11.5 69.2,11 71.4,11 71.4,9.8 67.2,9.8 67.06,9.86 67,10 67,13.3 68.7,13.3
P3V3 on VCC-4: 54.75,27.76 54.53,27.9 70.8,27.9 70.8,14.2 70.83,14.05 70.92,13.92 71.4,13.43 71.4,9.97 70.63,9.2 69.57,9.2 68.88,9.88 68.75,9.97 68.6,10 63.6,10 63.6,13.3 63.57,13.45 63.48,13.58 62.98,14.08 62.85,14.17 62.7,14.2 56.57,14.2 54.7,16.07 54.7,18.1 54.67,18.25 54.58,18.38 51.08,21.88 50.95,21.97 50.8,22 49.47,22 48.5,22.97 48.5,27.9 53.73,27.9 53.68,27.87 53.64,27.84 53.59,27.75 53.65,27.66 53.75,27.59 53.83,27.49 53.92,27.44 54,27.49 54.17,27.64 54.38,27.69 54.68,27.58 54.83,27.3 54.85,27.27 54.88,27.26 54.93,27.26 54.96,27.27 54.98,27.3 55,27.41 55.05,27.5 55.06,27.6 55,27.66 ; 2 cut-outs
P3V3 on SIG-6: 67,13.3 67,9.7 71.7,9.7 71.7,13.3
P3V3 on SIG-6: 4.6,22 8.4,22 8.8,21.6 8.8,19.8 7,19.8 6.9,19.7 6.9,16.4 6.2,15.7 6.2,13.6 4.8,12.2 4.8,7.4 6.2,6 6.2,4.9 7.5,3.6 30.5,3.6 34,7.1 39.7,7.1 39.9,7.3 39.9,8.2 41.1,9.4 42.7,9.4 43.8,10.5 43.8,11.7 42.8,12.7 42.8,18.2 44.8,20.2 48.1,20.2 49.2,21.3 49.2,26.6 49.3,26.7 50.3,26.7 50.5,26.5 50.5,19.8 49.6,18.9 48.2,18.9 48,18.7 48,13.6 45,10.6 45,10 42.8,7.8 42.8,5.4 42.2,4.8 34.4,4.8 31.9,2.3 6,2.3 5.3,3 5.3,3.9 2.8,6.4 2.8,20.2
P3V3A on SIG-6: 59.8,17.5 64.9,17.5 66,18.6 66,20.3 66.9,21.2 69.7,21.2 69.9,21.4 69.9,24.6 69.8,24.7 68.1,24.7 67.7,24.3 67.7,23.4 67.4,23.1 64,23.1 59.8,18.9
P5V0 on TOP (solid shape): 9.6,13.9 8.8,13.9 8.8,14.3 6.6,14.3 6.6,15.4 9.6,15.4
P5V0 on VCC-4: 43.47,9.2 68.43,9.2 69.12,8.52 69.25,8.43 69.4,8.4 70.8,8.4 70.95,8.43 71.08,8.52 71.4,8.83 71.4,2.1 42.9,2.1 42.9,8.63 ; 1 cut-out
N1599549 on BOTTOM (solid shape): 47.05,7.82 46.3,7.82 46.21,7.8 46.13,7.75 46.01,7.63 45.93,7.58 45.84,7.56 44.56,7.56 44.47,7.54 44.39,7.49 43.97,7.07 43.92,6.99 43.9,6.9 43.9,6.7 43.93,6.63 44,6.6 44.8,6.6 44.8,5.4 42.4,5.4 42.4,6.6 42.6,6.6 42.69,6.62 42.77,6.67 43.95,7.85 44.03,7.9 44.12,7.92 45.91,7.92 45.96,7.93 46,7.96 46.08,8.04 46.12,8.07 46.17,8.08 47.05,8.08
N1616720 on BOTTOM (solid shape): 51.1,8.08 51.15,8.07 51.19,8.04 51.27,7.99 51.36,7.97 52.83,7.97 53.01,7.93 53.17,7.83 54.26,6.74 54.42,6.64 54.6,6.6 55,6.6 55,5.4 52.6,5.4 52.6,6.6 53,6.6 53.14,6.66 53.2,6.8 53.2,7 53.16,7.18 53.06,7.34 52.87,7.53 52.71,7.63 52.53,7.67 51.3,7.67 51.21,7.69 51.13,7.74 51.12,7.75 51.04,7.8 50.95,7.82 50.3,7.82 50.3,8.08
N2071731 on BOTTOM (solid shape): 62.65,7.8 61.9,7.8 61.81,7.78 61.73,7.73 61.63,7.63 61.55,7.58 61.46,7.56 60.06,7.56 59.97,7.54 59.89,7.49 59.67,7.27 59.62,7.19 59.6,7.1 59.6,6.7 59.63,6.63 59.7,6.6 60.5,6.6 60.5,5.4 58.1,5.4 58.1,6.6 58.3,6.6 58.39,6.62 58.47,6.67 59.68,7.88 59.76,7.93 59.85,7.95 61.55,7.95 61.64,7.97 61.72,8.02 61.77,8.07 61.78,8.08 61.8,8.08 62.65,8.08
N2072149 on BOTTOM (solid shape): 66.74,8.08 66.76,8.08 66.77,8.07 66.84,8 66.85,7.99 66.87,7.99 68.31,7.99 68.49,7.95 68.65,7.85 69.76,6.74 69.92,6.64 70.1,6.6 70.5,6.6 70.5,5.4 68.1,5.4 68.1,6.6 68.9,6.6 68.97,6.63 69,6.7 68.98,6.79 68.93,6.87 68.36,7.44 68.2,7.54 68.02,7.58 67.19,7.58 67.01,7.62 66.85,7.72 66.82,7.75 66.74,7.8 66.65,7.82 65.9,7.82 65.9,8.08
P5V0 on BOTTOM (solid shape): 52.34,9.35 52.43,9.33 52.51,9.28 52.54,9.25 52.59,9.17 52.61,9.08 52.61,8.81 52.57,8.63 52.47,8.47 52.46,8.46 52.3,8.36 52.12,8.32 50.3,8.32 50.3,8.58 51.06,8.58 51.24,8.62 51.4,8.72 51.96,9.28 52.04,9.33 52.13,9.35
P5V0 on BOTTOM (solid shape): 45.2,9.44 45.34,9.38 45.4,9.24 45.4,9.17 45.42,9.08 45.47,9 45.83,8.64 45.91,8.59 46,8.57 47.05,8.57 47.05,8.32 45.34,8.32 45.25,8.34 45.17,8.39 44.76,8.8 44.71,8.88 44.69,8.97 44.69,9.24 44.75,9.38 44.89,9.44
P5V0 on BOTTOM (solid shape): 60.93,9.26 61.02,9.24 61.1,9.19 61.67,8.62 61.71,8.59 61.76,8.58 62.65,8.58 62.65,8.32 61.51,8.32 61.46,8.33 61.42,8.36 61.4,8.38 61.36,8.41 61.31,8.42 61.08,8.42 60.99,8.44 60.91,8.49 60.87,8.53 60.79,8.58 60.7,8.6 60.27,8.6 60.2,8.63 60.17,8.7 60.17,9.16 60.2,9.23 60.27,9.26
P5V0 on BOTTOM (solid shape): 68.1,9.35 68.24,9.29 68.3,9.15 68.3,8.9 68.24,8.76 68.1,8.7 67.4,8.7 67.22,8.66 67.06,8.56 66.89,8.39 66.81,8.34 66.72,8.32 65.9,8.32 65.9,8.58 66.5,8.58 66.59,8.6 66.67,8.65 66.98,8.96 67.03,9.04 67.05,9.13 67.05,9.25 67.08,9.32 67.15,9.35

Small or netless copper shapes (teardrops, artwork), in the pictures only: 1 on TOP

## Text on the board
Ref Des/Silkscreen Bottom: 69 | 1 | M1.6X3 | 2 | 70 | C13 | 24 | P1V0 | P1V8 | P2V8 | P3V3 | GND | INFIRAY L640X512 | OV5640 | INIT | POF-DPU-POE-COMPATIBLE SEP2225 | POF-DPU-POE-A1 SEP2225 | NO BUGS PERMANENTLY | 10/100BASET POE CONFIG | PCB SIZE:90MMX30MM | GOD BLESS
Ref Des/Silkscreen Top: DONE | 8 LAYERS PCB STACK, 1.6mm THINKNESS. | ANY QUESTIONS PLEASE CONTACT ME: +8613522296239 | CAUTION NO POLARITY PROTECTION | POF-DPU-POE-A1 SEP2225
XSECTION_CHART: *  SURFACE | L1 TOP CONDUCTOR | *  DIELECTRIC | L2 GND-2 CONDUCTOR | L3 SIG-3 CONDUCTOR | L4 VCC-4 CONDUCTOR | L5 GND-5 CONDUCTOR | L6 SIG-6 CONDUCTOR | L7 GND-7 CONDUCTOR | L8 BOTTOM CONDUCTOR | DESIGN CROSS SECTION CHART | ___________________________ | TOTAL THICKNESS 1.66624 MM | 1-8 | 1-2 | 7-8
DIMENSION: FIGURE | FINISHED_SIZE | 0.15 | 0.2 | 0.8 | 0.9 | 1.0 | 1.1 | 1.8 | 2.2 | 3.0 | DRILL CHART: TOP to BOTTOM | ALL UNITS ARE IN MILLIMETERS | PLATED | NON-PLATED | QTY | 75 | 308 | 253 | 34 | 8 | 10 | 4 | 2 | 6
NCLEGEND-7-8: FIGURE | FINISHED_SIZE | 0.15 | 0.2 | DRILL CHART: GND-7 to BOTTOM | ALL UNITS ARE IN MILLIMETERS | PLATED | QTY | 1 | 44 | 25
NCLEGEND-1-2: FIGURE | FINISHED_SIZE | 0.15 | 0.2 | DRILL CHART: TOP to GND-2 | ALL UNITS ARE IN MILLIMETERS | PLATED | QTY | 11 | 41 | 20
